# KiCad board Oblique Palette 0.5.1 PCB Main.kicad_pcb (continued)
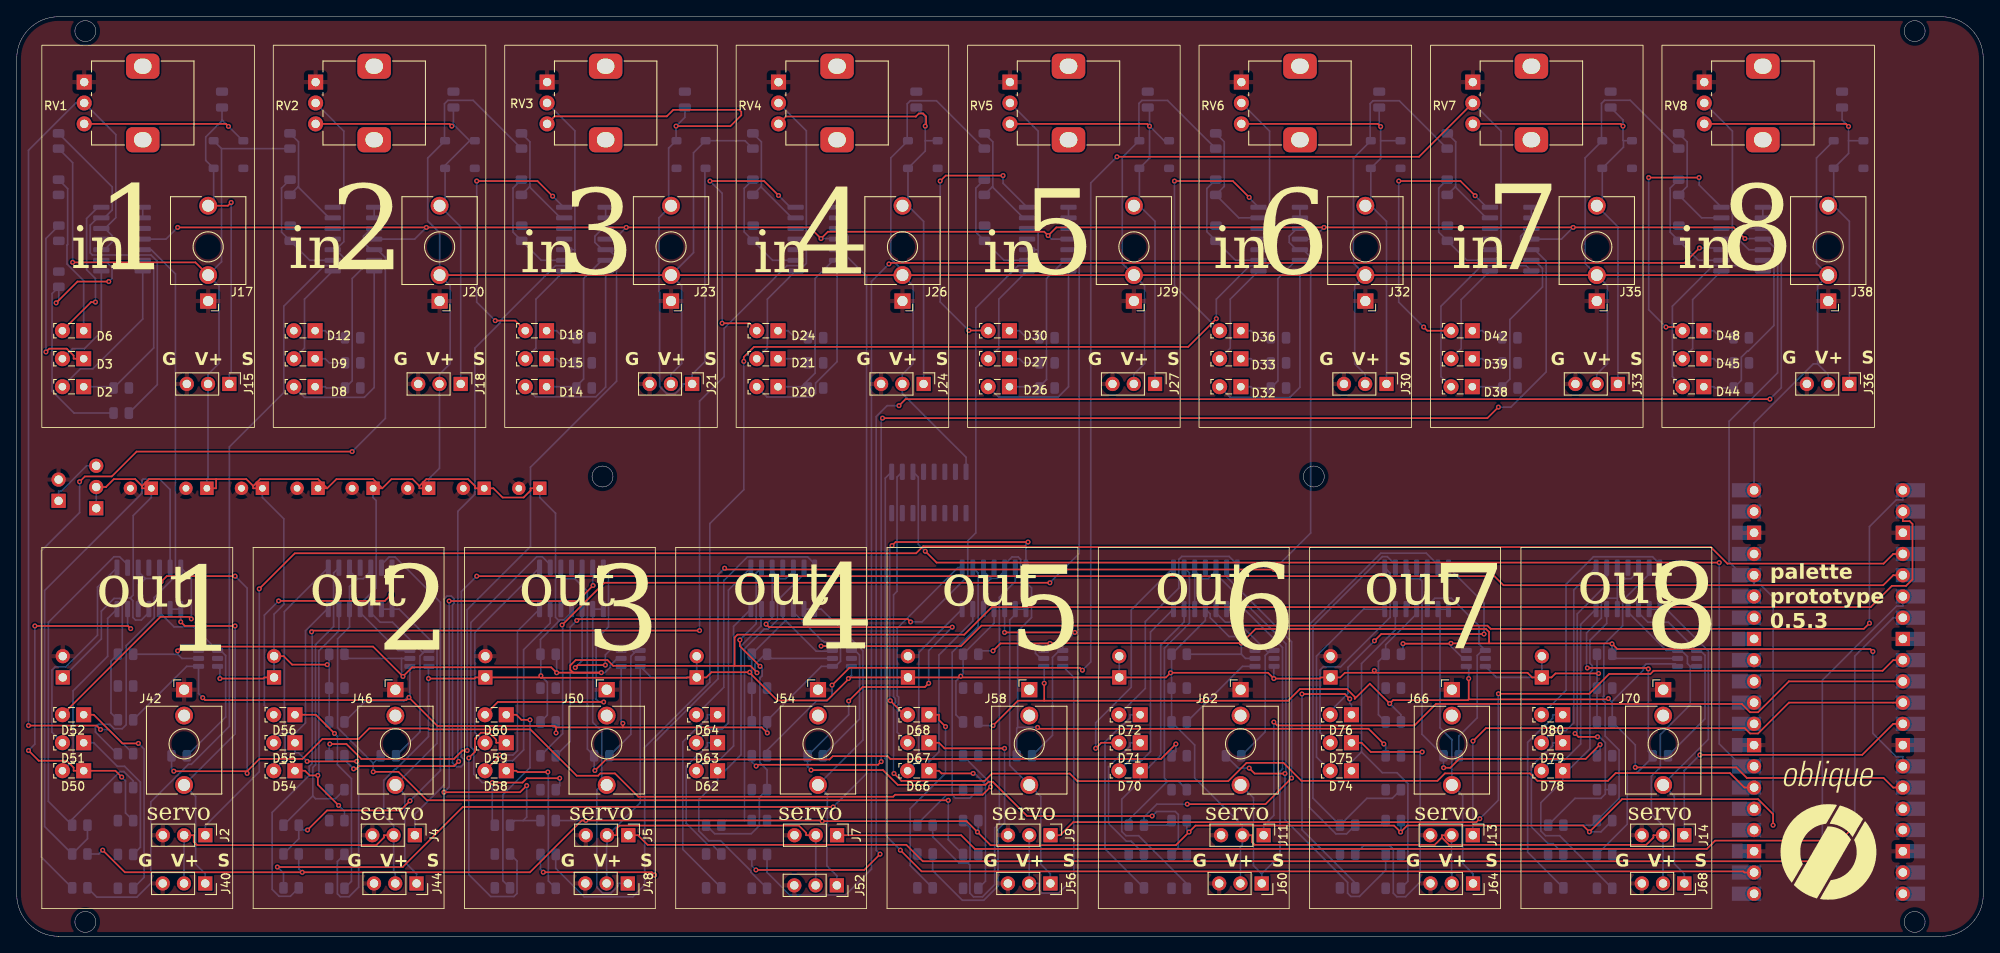
[diagram p0: board, top side]
## Routing (per net, layer and track width the routed paths; a pad name or vN(x,y) marks a point on that pad's centre or on a via; arc(x,y) is an arc through that point) (continued)
Net-(D18-K): length 3.9
  Bottom w0.2: D18.1 64.52,72.44 65.37,71.59 R23.1
Net-(D20-A): length 23.4
  Bottom w0.2: D20.2 89.66,64.52 95.03,64.52 95.46,64.95 95.46,66.17 98.03,68.74 U6.7
Net-(D20-K): length 20.6
  Bottom w0.2: 94.09,66.05 95.4,67.36 95.4,78.68 97.58,80.86 U6.6 ; 94.09,66.05 93.78,65.74 D20.1 ; 94.09,66.05 R27.1
Net-(D21-A): length 12.4
  Bottom w0.2: U6.8 89.7,76.21 89.7,70.36 D21.2
Net-(D21-K): length 3.8
  Bottom w0.2: D21.1 94.05,69.09 R29.1
Net-(D22-A): length 56.8
  Top w0.2: RV4.3 91.91,98.06 107.44,98.06 107.81,98.43 108.31,98.43 108.67,98.07 108.67,97.02 v1(108.57,96.91)
  Bottom w0.2: 108.57,95.17 108.57,93.93 D22.2 106.5,87.39 ; 108.57,95.17 D23.1 ; 108.57,95.17 v1(108.57,96.91) 108.57,98.07 C12.1 ; J24.1 108.37,85.52 106.5,87.39 ; 106.5,87.39 J26.T
Net-(D24-A): length 33.7
  Top w0.2: v1(82.84,90.34) 89.31,90.34 v1(91.04,88.61) ; D24.2 87.54,73.33 v1(84.3,73.33)
  Bottom w0.2: v1(82.84,90.34) 84.3,88.88 v1(84.3,73.33) ; U6.14 92.44,87.21 v1(91.04,88.61)
Net-(D24-K): length 3.9
  Bottom w0.2: D24.1 92.17,72.44 93.02,71.59 R31.1
Net-(D26-A): length 24.5
  Bottom w0.2: U7.7 125.69,65.74 124.46,64.51 117.32,64.51 D26.2
Net-(D26-K): length 20.6
  Bottom w0.2: R35.1 122.2,65.74 ; 122.2,65.74 123.06,66.59 123.06,78.68 125.23,80.86 U7.6 ; 122.2,65.74 D26.1
Net-(D27-A): length 12.4
  Bottom w0.2: D27.2 117.36,70.36 117.36,76.22 U7.8
Net-(D27-K): length 3.8
  Bottom w0.2: R37.1 120.33,68.59 119.83,69.09 D27.1
Net-(D28-A): length 54.9
  Top w0.2: RV5.3 135.1,97.18 v1(135.37,96.91)
  Bottom w0.2: v1(135.37,96.91) 135.37,93.08 D28.2 134.16,87.39 ; v1(135.37,96.91) 137.12,95.17 D29.1 ; v1(135.37,96.91) 135.37,98.93 C13.1 ; 134.16,87.39 J29.T ; 134.16,87.39 136.03,85.52 J27.1
Net-(D30-A): length 34.4
  Top w0.2: D30.2 116.06,72.47 v1(113.77,72.47) ; v1(117.87,91) 111.01,91 v1(110.35,90.34)
  Bottom w0.2: v1(113.77,72.47) 110.35,75.88 v1(110.35,90.34) ; v1(117.87,91) 117.87,90.08 U7.14
Net-(D30-K): length 3.9
  Bottom w0.2: R39.1 120.68,71.59 119.83,72.44 D30.1
Net-(D32-A): length 24.5
  Bottom w0.2: D32.2 145.02,64.47 152.14,64.47 153.34,65.67 U8.7
Net-(D32-K): length 20.6
  Bottom w0.2: U8.6 152.89,80.86 150.71,78.68 150.71,66.44 R43.1 147.64,65.59 147.49,65.74 D32.1
Net-(D33-A): length 12.4
  Bottom w0.2: U8.8 145.02,76.21 145.02,70.36 D33.2
Net-(D33-K): length 3.8
  Bottom w0.2: R45.1 147.99,68.59 147.49,69.09 D33.1
Net-(D34-A): length 54.2
  Top w0.2: RV6.3 162.67,97.18 v1(162.99,96.86)
  Bottom w0.2: D35.1 162.99,95.17 ; 162.99,95.17 162.99,93.04 D34.2 161.81,87.39 ; 162.99,95.17 v1(162.99,96.86) 162.81,97.04 C14.1 ; 161.81,87.39 163.69,85.52 J30.1 ; 161.81,87.39 J32.T
Net-(D36-A): length 31.5
  Top w0.2: v1(138.35,90.34) 145.33,90.34 v1(147.28,88.39)
  Bottom w0.2: v1(138.35,90.34) 138.35,77.84 D36.2 ; v1(147.28,88.39) 147.28,88.32 U8.14
Net-(D36-K): length 3.9
  Bottom w0.2: D36.1 147.49,72.44 148.34,71.59 R47.1
Net-(D38-A): length 23.2
  Bottom w0.2: U9.7 180.37,80.22 175.05,80.22 170.19,75.37 170.19,66.95 D38.2
Net-(D38-K): length 21.6
  Bottom w0.2: D38.1 177.52,65.74 ; 177.52,65.74 178.43,66.65 178.43,73.77 182.33,77.67 182.33,79.89 181.36,80.86 U9.6 ; 177.52,65.74 R51.1
Net-(D39-A): length 12.4
  Bottom w0.2: D39.2 172.61,70.3 172.61,76.15 U9.8
Net-(D39-K): length 3.8
  Bottom w0.2: R53.1 175.64,68.59 175.14,69.09 D39.1
Net-(D40-A): length 55.1
  Top w0.2: RV7.3 191.68,97.18 v1(191.95,96.91)
  Bottom w0.2: J33.1 191.34,84.87 J35.T 189.47,88.04 D40.2 192,94.4 192,95.17 ; C15.1 191.95,97.66 v1(191.95,96.91) 191.95,95.22 192,95.17 ; 192,95.17 D41.1
Net-(D42-A): length 34.4
  Top w0.2: v1(168.13,72.88) 168.57,72.44 D42.2 ; v1(174.28,88.59) 172.53,90.34 v1(165.15,90.34)
  Bottom w0.2: v1(165.15,90.34) 165.15,75.86 v1(168.13,72.88) ; U9.14 175.66,87.21 v1(174.28,88.59)
Net-(D42-K): length 3.9
  Bottom w0.2: D42.1 175.14,72.44 175.99,71.59 R55.1
Net-(D44-A): length 23.2
  Bottom w0.2: U10.7 208.02,80.22 202.71,80.22 197.85,75.37 197.85,66.95 D44.2
Net-(D44-K): length 21.7
  Bottom w0.2: D44.1 202.8,65.74 202.95,65.59 R59.1 206.09,66.5 206.09,69.27 206.8,69.99 206.91,69.99 209.98,73.07 209.98,79.89 209.01,80.86 U10.6
Net-(D45-A): length 12.4
  Bottom w0.2: U10.8 200.27,76.15 200.27,70.3 D45.2
Net-(D45-K): length 3.8
  Bottom w0.2: R61.1 203.3,68.59 202.8,69.09 D45.1
Net-(D46-A): length 54.7
  Top w0.2: v1(218.9,96.88) 218.6,97.18 RV8.3
  Bottom w0.2: C16.1 218.13,97.65 v1(218.9,96.88) 218.9,95.17 ; 217.13,87.39 D46.2 218.9,93.64 218.9,95.17 ; 217.13,87.39 J38.T ; 217.13,87.39 219,85.52 J36.1 ; D47.1 218.9,95.17
Net-(D48-A): length 31.6
  Top w0.2: v1(201.04,90.76) v1(195.02,90.76) ; D48.2 198.62,72.88 v1(197.08,72.88)
  Bottom w0.2: v1(197.08,72.88) 195.02,74.94 v1(195.02,90.76) ; v1(201.04,90.76) 201.04,89.88 U10.14
Net-(D48-K): length 3.9
  Bottom w0.2: D48.1 202.8,72.44 203.65,71.59 R63.1
Net-(D50-A): length 22
  Bottom w0.2: U12.7 10.86,38.02 10.86,33.49 6.73,29.36 6.73,21.07 D50.2
Net-(D50-K): length 47.7
  Top w0.2: v1(1.4,22.22) 2.63,21 5.97,21 6.8,20.18 6.8,19.8 D50.1 11.79,19.8 v1(12.55,19.05) ; v1(13.62,36.8) 13.3,37.12 v1(2.16,37.12)
  Bottom w0.2: R73.1 13,14.75 13,18.59 v1(12.55,19.05) ; v1(13.62,36.8) 13.25,37.17 U12.6 ; v1(1.4,22.22) 2.16,22.98 v1(2.16,37.12)
Net-(D51-A): length 25.4
  Bottom w0.2: D51.2 4.2,24.41 4.2,31.84 4.6,32.23 5.87,32.23 9.65,36.02 9.65,41.76 U12.8
Net-(D51-K): length 17.7
  Bottom w0.2: D51.1 9.2,23.15 12.02,20.33 12.89,20.33 14.78,18.44 14.78,10.66 R74.1
Net-(D52-A): length 27
  Top w0.2: D52.2 17.17,38.21 20.62,38.21 v1(20.86,37.97)
  Bottom w0.2: U12.14 20.86,42.83 v1(20.86,37.97)
Net-(D52-K): length 26.1
  Top w0.2: D52.1 9.2,26.5 12.63,23.07 v1(14.54,23.07)
  Bottom w0.2: R75.1 15.22,7.05 15.22,22.39 v1(14.54,23.07)
Net-(D54-A): length 22.8
  Bottom w0.2: D54.2 32.05,21.14 32.05,24.17 32.23,24.35 33.33,24.35 34.51,25.52 34.51,36.55 37.1,39.14 U14.7
Net-(D54-K): length 30.6
  Top w0.2: v1(38.47,15.65) 35.98,18.14 v1(35.98,19.24) 35.01,19.24 34.45,19.8 D54.1
  Bottom w0.2: R84.1 39.16,14.96 v1(38.47,15.65) ; v1(35.98,19.24) 36.11,19.37 36.11,34.15 38.5,36.54 U14.6
Net-(D55-A): length 23.6
  Bottom w0.2: D55.2 30.71,23.4 31.98,24.67 31.98,38.84 U14.8
Net-(D55-K): length 32.4
  Top w0.2: v1(34.7,20.92) v1(40.62,20.92)
  Bottom w0.2: D55.1 33.25,21.95 33.68,21.95 v1(34.7,20.92) ; v1(40.62,20.92) 40.86,20.69 40.86,5.88 39.71,4.73 38.67,4.73 38.32,5.08 38.32,8.95 R85.1
Net-(D56-A): length 31.8
  Top w0.2: v1(31.29,40.12) 43.98,40.12 v1(44.72,40.85)
  Bottom w0.2: U14.14 44.85,40.99 v1(44.72,40.85) ; v1(31.29,40.12) 29.59,38.41 29.59,27.62 D56.2
Net-(D56-K): length 25.4
  Top w0.2: v1(37.97,24.26) 35.73,26.5 D56.1
  Bottom w0.2: v1(37.97,24.26) 38.32,23.91 38.32,20.53 40,18.86 40,6.57 R86.1
Net-(D58-A): length 23
  Top w0.2: v1(57.7,21.69) 57.7,21.54 D58.2
  Bottom w0.2: v1(57.7,21.69) 59.32,21.69 59.84,22.2 59.84,36.5 U16.7
Net-(D58-K): length 41.3
  Top w0.2: D58.1 59.7,19.8 59.86,19.64 v1(63.46,19.64)
  Bottom w0.2: U16.6 63.75,37.46 60.57,34.28 60.57,22.3 59.28,21 58.5,21 D58.1 ; v1(63.46,19.64) 63.53,19.58 63.53,6.62 R95.1
Net-(D59-A): length 24.7
  Bottom w0.2: U16.8 54.74,36.35 54.74,24.37 D59.2
Net-(D59-K): length 33.4
  Top w0.2: D59.1 57.3,23.15 57.3,23.51 56.46,24.35 55.46,24.35 54.76,23.65 54.76,22.06 v1(54.02,21.33)
  Bottom w0.2: R96.1 59.78,9.01 59.78,5.12 59.41,4.76 56.65,4.76 54.02,7.38 v1(54.02,21.33)
Net-(D60-A): length 32.4
  Top w0.2: D60.2 57.48,28.03 v1(70.14,28.03)
  Bottom w0.2: U16.14 70.71,43.48 70.71,37.01 69.23,35.53 69.23,28.36 69.57,28.03 v1(70.14,28.03)
Net-(D60-K): length 24.9
  Top w0.2: v1(61.33,25.89) 60.31,25.89 59.7,26.5 D60.1
  Bottom w0.2: R97.1 58.1,6.65 58.1,16.94 61.33,20.17 v1(61.33,25.89)
Net-(D62-A): length 22.9
  Bottom w0.2: U18.7 85.66,37.07 85.66,22.77 83.96,21.06 82.47,21.06 D62.2
Net-(D62-K): length 41.6
  Bottom w0.2: R106.1 87.73,7.67 87.73,7.81 84.12,11.43 82.69,11.43 81.51,12.6 81.51,16.36 83.75,18.6 83.75,18.92 ; D62.1 83.75,18.92 ; 83.75,18.92 86.56,21.72 86.56,34.74 88.94,37.13 88.94,39.08 U18.6
Net-(D63-A): length 24.5
  Bottom w0.2: U18.8 85.05,41.41 85.05,25.54 84.29,24.77 82.83,24.77 D63.2
Net-(D63-K): length 17.7
  Bottom w0.2: R107.1 83.11,10.93 82.59,10.93 80,13.52 80,20.33 81.62,21.95 81.73,21.95 82.55,22.76 82.55,23.15 D63.1
Net-(D64-A): length 30.2
  Bottom w0.2: D64.2 84.49,29.78 84.49,42.56 87.32,45.38 94.52,45.38 95.35,44.55 U18.14
Net-(D64-K): length 25.1
  Bottom w0.2: D64.1 82.55,26.5 82.55,26.09 81.76,25.3 81.64,25.3 79.6,23.25 79.6,10.4 R108.1
Net-(D66-A): length 22
  Bottom w0.2: D66.2 107.8,21.14 107.8,33.96 U20.7
Net-(D66-K): length 41.8
  Top w0.2: v1(114.29,19.48) 110.52,19.48 110.2,19.8 D66.1
  Bottom w0.2: R117.1 115.76,6.59 115.76,18.19 114.47,19.48 v1(114.29,19.48) ; U20.6 114.25,37.7 110.2,33.65 110.2,22.05 109.15,21 109,21 D66.1
Net-(D67-A): length 25.1
  Bottom w0.2: U20.8 112.45,44.09 105.21,36.86 105.21,28.78 105.39,28.6 105.39,27.77 105.21,27.59 105.21,24.4 D67.2
Net-(D67-K): length 38.1
  Top w0.2: D67.1 110.2,23.15 110.87,22.48 v1(118.04,22.48)
  Bottom w0.2: v1(118.04,22.48) 118.04,13.54 117.27,12.77 117.27,6.02 115.56,4.31 113,4.31 109.45,7.86 R118.1
Net-(D68-A): length 41.1
  Top w0.2: v1(104.39,28.18) 106.07,26.5 D68.2 ; v1(120.85,47.16) 105.02,47.16 v1(104.6,46.73)
  Bottom w0.2: v1(104.6,46.73) 104.32,46.45 104.32,28.26 v1(104.39,28.18) ; U20.14 120.6,46.91 v1(120.85,47.16)
Net-(D68-K): length 25.1
  Top w0.2: D68.1 110.2,26.5 110.2,25.87 v1(110.99,25.08)
  Bottom w0.2: R119.1 106.77,8.47 106.77,15.27 110.99,19.5 v1(110.99,25.08)
Net-(D70-A): length 22.9
  Bottom w0.2: U22.7 135.48,36.39 135.48,22.09 134.4,21.01 132.92,21.01 D70.2
Net-(D70-K): length 41.2
  Bottom w0.2: 134.25,19.2 134.25,18.6 132.05,16.4 132.05,12.53 132.55,12.03 134.06,12.03 139.82,6.27 R128.1 ; 134.25,19.2 D70.1 ; 134.25,19.2 136.71,21.66 136.71,34.81 139.5,37.6 U22.6
Net-(D71-A): length 28.5
  Top w0.2: v1(128.93,22.48) 129.6,23.15 D71.2
  Bottom w0.2: v1(128.93,22.48) 128.93,25.54 133.18,29.79 133.18,39.04 U22.8
Net-(D71-K): length 17.7
  Bottom w0.2: R129.1 133.17,11.38 132.6,11.38 130.47,13.5 130.47,20.28 132.14,21.95 132.26,21.95 133.05,22.74 133.05,23.15 D71.1
Net-(D72-A): length 29.5
  Bottom w0.2: D72.2 134.86,29.65 134.86,37.65 138.87,41.65 138.87,45.08 139.22,45.44 144.88,45.44 145.85,44.47 U22.14
Net-(D72-K): length 25.2
  Bottom w0.2: D72.1 133.05,26.5 133.05,26.12 132.22,25.3 132.11,25.3 130.04,23.23 130.04,10.45 R130.1
Net-(D74-A): length 24.9
  Bottom w0.2: U24.7 160.95,39.14 155.32,33.51 155.32,21.44 D74.2
Net-(D74-K): length 41.6
  Bottom w0.2: R139.1 166.24,6.57 166.24,18.26 164.94,19.56 163.19,19.56 160.7,22.05 ; 160.7,22.05 159.65,21 159.5,21 D74.1 ; 160.7,22.05 160.7,32.62 164.75,36.67 U24.6
Net-(D75-A): length 26.4
  Bottom w0.2: U24.8 164.12,43.45 164.12,38.15 158.2,32.23 156.13,32.23 155.74,31.85 155.74,24.37 D75.2
Net-(D75-K): length 39.1
  Top w0.2: D75.1 160.7,23.15 161.8,22.05 v1(167.95,22.05)
  Bottom w0.2: R140.1 160.93,10.82 164.11,10.82 164.5,10.42 164.5,5.15 164.92,4.73 165.96,4.73 167.71,6.48 167.71,21.81 v1(167.95,22.05)
Net-(D76-A): length 34.1
  Top w0.2: v1(175.34,36.16) 163.06,36.16 v1(162.25,35.34)
  Bottom w0.2: U24.14 175.34,39.85 v1(175.34,36.16) ; D76.2 156.96,26.92 159.08,29.04 159.08,32.18 v1(162.25,35.34)
Net-(D76-K): length 33.8
  Top w0.2: v1(153.58,28.98) 158.71,28.98 v1(159.29,28.4)
  Bottom w0.2: R141.1 159.95,6.37 153.58,12.74 v1(153.58,28.98) ; v1(159.29,28.4) 159.29,27.91 159.5,27.7 D76.1
Net-(D78-A): length 22.9
  Bottom w0.2: U26.7 186.89,37.3 186.89,23.01 184.94,21.06 183.47,21.06 D78.2
Net-(D78-K): length 42
  Bottom w0.2: 184.75,19.2 184.75,18.6 182.13,15.97 182.13,12.6 182.7,12.03 184.37,12.03 R150.1 ; 184.75,19.2 D78.1 ; 184.75,19.2 187.99,22.44 187.99,31.55 188.29,31.85 188.29,32.35 188,32.64 188,35.41 190,37.41 U26.6
Net-(D79-A): length 24.5
  Bottom w0.2: U26.8 186.07,41.43 186.07,25.53 185.14,24.59 183.65,24.59 D79.2
Net-(D79-K): length 17.6
  Bottom w0.2: D79.1 183.55,23.15 183.55,22.76 182.73,21.95 182.62,21.95 181,20.33 181,13.09 182.99,11.09 183.57,11.09 R151.1
Net-(D80-A): length 30.2
  Bottom w0.2: U26.14 196.35,44.53 195.48,45.4 188.42,45.4 185.14,42.12 185.14,29.43 D80.2
Net-(D80-K): length 25
  Bottom w0.2: D80.1 183.55,26.5 183.55,26.09 182.76,25.3 182.64,25.3 180.55,23.21 180.55,10.06 R152.1
Net-(J40-Pin_1): length 43.9
  Top w0.2: v1(19.59,37.61) 20.09,37.12 v1(26.09,37.12)
  Bottom w0.2: U12.2 19.59,39.14 ; 19.59,39.14 v1(19.59,37.61) ; 19.59,39.14 U12.1 ; J40.1 22.52,7.47 21.37,8.62 21.37,16.73 J42.T 26.09,24.19 v1(26.09,37.12)
Net-(J44-Pin_1): length 39.9
  Bottom w0.2: U14.2 U14.1 45.69,39.14 50.22,34.61 50.22,23.07 J46.T 46.37,16.98 46.37,8.88 47.77,7.47 J44.1
Net-(J48-Pin_1): length 40.5
  Bottom w0.2: U16.1 U16.2 68.83,25.59 69.91,24.51 69.91,18.1 ; J48.1 71.87,6.32 71.87,6.03 71,5.16 70.01,5.16 69.32,5.85 69.32,17.51 69.91,18.1 ; 69.91,18.1 J50.T
Net-(J52-Pin_1): length 40.4
  Bottom w0.2: J52.1 98,7.24 96.81,8.43 96.81,13.42 96.87,13.48 96.87,16.98 J54.T 101.12,23.47 101.12,34.15 96.13,39.14 U18.1 U18.2
Net-(J56-Pin_1): length 36.4
  Bottom w0.2: J56.1 123.53,7.47 122.37,8.62 122.37,16.73 J58.T 118.66,20.44 118.66,37.84 119.33,38.51 U20.2 U20.1
Net-(J60-Pin_1): length 49.5
  Bottom w0.2: U22.2 U22.1 146.67,39.14 151.26,34.55 151.26,20.02 150.95,19.72 150.95,9.65 148.78,7.47 ; 148.78,7.47 147.79,8.46 147.79,16.56 J62.T ; 148.78,7.47 J60.1
Net-(J64-Pin_1): length 35.7
  Bottom w0.2: J64.1 174.03,7.47 172.79,8.71 172.79,16.81 J66.T 171.5,23.52 170.08,24.94 170.08,39.14 ; U24.2 170.08,39.14 ; 170.08,39.14 U24.1
Net-(J68-Pin_1): length 40.2
  Bottom w0.2: U26.2 U26.1 197.12,39.14 202.15,34.12 202.15,23.56 196.75,18.16 J70.T 198.08,16.77 198.08,8.67 199.28,7.47 J68.1
Net-(J71-Pin_3): length 6.9
  Bottom w0.2: J71.3 8.35,56.28 5.31,53.24 5,53.24 J72.1
Net-(U3A-+): length 74.1
  Bottom w0.2: R68.2 11.99,21.84 9.4,24.43 9.4,25.01 9.75,25.35 11.13,25.35 11.65,24.83 12.6,24.83 13.08,25.31 13.08,34.77 16.43,38.11 16.43,40.52 18.97,43.06 18.97,79.23 16.07,82.13 U3.5 14.65,82.13 13.77,83.01 13.77,83.74 14.71,84.67 U3.3
Net-(U3C-+): length 112.9
  Top w0.2: v1(1.4,25.2) 9.54,25.2 v1(10.02,24.73)
  Bottom w0.2: R68.1 11.02,24.73 v1(10.02,24.73) ; 10.54,84.67 11.43,83.79 11.43,83.06 10.49,82.13 U3.10 ; 10.54,84.67 U3.12 ; 10.54,84.67 11.84,85.97 11.84,95.9 RV1.2 7.06,99.68 1.4,94.02 v1(1.4,25.2)
Net-(U3C--): length 34.1
  Top w0.2: v1(11,78.32) 7.26,78.32 v1(4.71,75.77)
  Bottom w0.2: v1(11,78.32) 11.39,78.71 11.39,79.98 10.51,80.86 U3.9 ; v1(4.71,75.77) 5.03,76.09 R4.2 4.22,76.88 4.22,65.22 6.85,62.59 R6.1
Net-(U3D--): length 46.5
  Bottom w0.2: R6.2 16.8,65.99 16.8,80.74 16.05,81.5 9.04,81.5 8.78,81.75 8.78,85.06 9.66,85.94 U3.13 10.47,85.94 11.41,86.88 11.41,89.63 R8.1
Net-(U4A-+): length 116.7
  Top w0.2: v1(40.08,57.98) 14.33,57.98 11.36,55.01 8.15,55.01 v1(7.51,54.37)
  Bottom w0.2: v1(7.51,54.37) 7.51,50.68 2.92,46.09 2.92,9.49 R72.2 ; v1(40.08,57.98) 44.05,61.95 44.05,81.19 43.11,82.13 U4.5 42.31,82.13 41.43,83.01 41.43,83.74 42.36,84.67 U4.3
Net-(U4C-+): length 116.9
  Bottom w0.2: 38.12,82.13 U4.10 ; 38.12,82.13 39.08,83.09 39.08,84.67 ; 38.12,82.13 39.09,81.16 39.09,80.54 38.78,80.22 36.77,80.22 31.92,75.37 31.92,65.05 25.41,58.54 25.41,25.12 20.86,20.57 20.52,20.57 16.02,16.08 16.02,6.35 14.36,4.69 9.56,4.69 R72.1 ; RV2.2 39.08,96.31 39.08,84.67 ; 39.08,84.67 U4.12
Net-(U4C--): length 14.2
  Bottom w0.2: U4.9 35.01,80.86 R12.2 31.65,84.23 31.65,89.5 R14.1
Net-(U4D--): length 13.9
  Bottom w0.2: 33.62,89.65 33.67,89.7 33.67,95.04 R16.1 ; 33.62,89.65 37.32,85.94 U4.13 ; 33.62,89.65 R14.2
Net-(U5A-+): length 91.1
  Top w0.2: v1(53.82,22.22) 53.26,22.22 52.25,21.21 41.19,21.21 39.4,23 v1(37.41,23)
  Bottom w0.2: U5.3 70.02,84.67 69.09,83.74 69.09,83.01 69.97,82.13 U5.5 70.77,82.13 71.68,81.22 71.68,66.39 61.39,56.11 61.39,46.63 53.82,39.06 v1(53.82,22.22) ; R79.2 37.34,22.93 v1(37.41,23)
Net-(U5C-+): length 104.7
  Top w0.2: v1(52.81,20.92) 52.24,20.35 40.9,20.35 40.57,20.03 v1(40.26,20.03)
  Bottom w0.2: 66.7,82.13 66.7,80.5 66.42,80.22 64.38,80.22 57.78,73.62 57.78,73.4 54.75,70.37 54.75,52.88 52.72,50.84 52.72,21.02 v1(52.81,20.92) ; 66.7,82.13 66.7,84.67 ; 66.7,82.13 U5.10 ; RV3.2 66.7,96.35 66.7,84.67 ; 66.7,84.67 U5.12 ; R79.1 39.16,21.12 v1(40.26,20.03)
Net-(U5C--): length 14.2
  Bottom w0.2: U5.9 62.67,80.86 R20.2 59.3,84.23 59.3,89.5 R22.1
Net-(U5D--): length 13.9
  Bottom w0.2: U5.13 64.98,85.94 61.27,89.65 ; 61.27,89.65 61.33,89.7 61.33,95.04 R24.1 ; 61.27,89.65 R22.2
Net-(U6A-+): length 145.9
  Top w0.2: v1(31.14,8.28) 46.12,8.28 53.3,15.47 v1(97.56,15.47)
  Bottom w0.2: R83.2 31.88,7.55 v1(31.14,8.28) ; 98.39,82.13 U6.5 ; 98.39,82.13 101.55,78.96 101.55,19.46 v1(97.56,15.47) ; 98.39,82.13 99.35,83.09 99.35,83.71 98.39,84.67 U6.3
Net-(U6C-+): length 156.7
  Top w0.2: v1(81.6,36.57) 35.38,36.57 v1(35.23,36.42)
  Bottom w0.2: 94.36,82.13 94.36,80.49 94.09,80.22 92.04,80.22 84.53,72.71 84.53,66.95 81.6,64.02 v1(81.6,36.57) ; 94.36,82.13 94.36,84.67 ; 94.36,82.13 U6.10 ; U6.12 94.36,84.67 ; 94.36,84.67 94.36,96.35 RV4.2 ; R83.1 32.7,4.79 31.35,4.79 30.52,5.61 30.52,14.81 34.94,19.23 34.94,20.32 35.3,20.68 35.3,36.35 v1(35.23,36.42)
Net-(U6C--): length 14.2
  Bottom w0.2: R30.1 86.93,89.47 86.93,84.26 R28.2 90.33,80.86 U6.9
Net-(U6D--): length 13.9
  Bottom w0.2: 88.93,89.65 88.98,89.7 88.98,95.04 R32.1 ; 88.93,89.65 92.64,85.94 U6.13 ; 88.93,89.65 R30.2
Net-(U7A-+): length 123
  Top w0.2: v1(65.17,37.24) 70.22,42.29 v1(123.46,42.29)
  Bottom w0.2: v1(123.46,42.29) 126.96,45.79 126.96,82.13 126.96,82.13 ; 126.96,82.13 U7.5 ; 126.96,82.13 126.97,82.14 126.97,83.79 126.09,84.67 U7.3 ; v1(65.17,37.24) 65.24,37.18 65.24,24.24 R90.2
Net-(U7C-+): length 131.8
  Top w0.2: v1(66.92,37.78) 67.09,37.94 106.48,37.94 v1(106.81,37.61)
  Bottom w0.2: v1(66.92,37.78) 66.14,36.99 66.14,23.31 R90.1 ; U7.10 122.05,82.13 ; 122.05,82.13 122.05,80.5 121.78,80.22 119.67,80.22 114.61,75.16 114.61,48.26 113.65,47.3 113.65,43.08 108.17,37.61 v1(106.81,37.61) ; 122.05,82.13 122.05,84.67 ; 122.05,84.67 122.05,96.31 RV5.2 ; 122.05,84.67 U7.12
Net-(U7C--): length 14.2
  Bottom w0.2: R38.1 114.62,89.5 114.62,84.23 R36.2 117.98,80.86 U7.9
Net-(U7D--): length 13.9
  Bottom w0.2: R40.1 116.64,95.04 116.64,89.7 116.59,89.65 ; 116.59,89.65 R38.2 ; 116.59,89.65 120.29,85.94 U7.13
Net-(U8A-+): length 166.5
  Top w0.2: v1(150.26,43.88) 84.75,43.88 v1(84.59,44.03) ; v1(76.22,7.32) 75.88,7.66 v1(62.92,7.66)
  Bottom w0.2: v1(84.59,44.03) 83.8,43.25 83.8,30.79 76.22,23.21 v1(76.22,7.32) ; U8.3 152.99,84.67 152.06,83.74 152.06,83.01 152.93,82.13 U8.5 153.74,82.13 154.62,81.25 154.62,48.24 v1(150.26,43.88) ; v1(62.92,7.66) 62.59,8 R94.2
Net-(U8C-+): length 174.4
  Top w0.2: v1(143.35,73.88) 139.98,70.5 88.1,70.5 86.88,69.29 v1(86.88,68.77)
  Bottom w0.2: 149.71,82.13 149.71,80.52 149.41,80.22 147.37,80.22 143.35,76.21 v1(143.35,73.88) ; 149.71,82.13 149.71,84.67 ; 149.71,82.13 U8.10 ; v1(86.88,68.77) 86.88,53.43 82.83,49.37 82.83,30.39 75.04,22.6 75.04,6.14 73.61,4.72 67.82,4.72 64.41,8.12 R94.1 ; 149.71,84.67 149.71,96.31 RV6.2 ; 149.71,84.67 U8.12
Net-(U8C--): length 14.3
  Bottom w0.2: U8.9 145.64,80.86 R44.2 142.22,84.28 142.22,89.45 R46.1
Net-(U8D--): length 14.4
  Bottom w0.2: R48.1 144.3,95.04 144.3,89.7 R46.2 146.03,85.94 U8.13
Net-(U9A-+): length 159
  Top w0.2: v1(177.06,63.3) 175.74,61.98 v1(103.46,61.98) ; v1(88.36,20.36) 88.52,20.52 102.93,20.52 v1(103.3,20.89)
  Bottom w0.2: v1(103.46,61.98) 103.3,61.83 v1(103.3,20.89) ; v1(88.36,20.36) 87.84,20.88 R101.2 ; v1(177.06,63.3) 178.55,63.3 182.77,67.51 182.77,80.77 181.4,82.13 U9.5 180.61,82.13 179.72,83.02 179.72,83.74 180.65,84.67 U9.3
Net-(U9C-+): length 172.6
  Top w0.2: v1(97.43,30.04) 99.51,32.12 127.05,32.12 v1(127.35,31.82) ; RV7.2 167.57,93.25 v1(131.48,93.25)
  Bottom w0.2: U9.10 176.41,82.13 177.37,83.09 177.37,84.67 ; R101.1 89.66,22.25 95.58,28.17 96.77,28.17 97.43,28.83 v1(97.43,30.04) ; U9.12 177.37,84.67 ; 177.37,84.67 177.37,96.31 RV7.2 ; v1(127.35,31.82) 128.35,32.82 128.35,90.12 v1(131.48,93.25)
Net-(U9C--): length 14.2
  Bottom w0.2: R54.1 169.93,89.5 169.93,84.23 R52.2 173.3,80.86 U9.9
Net-(U9D--): length 13.9
  Bottom w0.2: R56.1 171.95,95.04 171.95,89.7 171.9,89.65 ; 171.9,89.65 175.61,85.94 U9.13 ; 171.9,89.65 R54.2
Net-(U10A-+): length 206.9
  Top w0.2: v1(209.5,64.25) 106.21,64.25 v1(105.43,63.47) ; v1(103.17,9.83) 101.28,7.94 v1(88.33,7.94)
  Bottom w0.2: v1(105.43,63.47) 104.01,63.47 102.7,62.16 102.7,10.29 v1(103.17,9.83) ; R105.2 87.84,8.43 v1(88.33,7.94) ; v1(209.5,64.25) 210.86,65.62 210.86,82.9 209.1,84.67 U10.3 206.8,84.67 205.88,83.75 205.88,83.23 206.99,82.13 U10.5
Net-(U10C-+): length 211.7
  Top w0.2: v1(201.08,82.34) 199.3,80.55 104.35,80.55 v1(104.23,80.43)
  Bottom w0.2: U10.12 205.02,84.67 ; 205.02,84.67 205.02,83.09 204.07,82.13 U10.10 203.5,82.34 v1(201.08,82.34) ; 205.02,84.67 205.02,96.32 RV8.2 ; R105.1 89.66,7.64 92.37,4.94 99.05,4.94 102.14,8.03 102.14,78.34 v1(104.23,80.43)
Net-(U10C--): length 14.2
  Bottom w0.2: R62.1 197.59,89.5 197.59,84.23 R60.2 200.96,80.86 U10.9
Net-(U10D--): length 14.4
  Bottom w0.2: R64.1 199.61,95.04 199.61,89.7 R62.2 201.35,85.94 U10.13
Net-(U11-VOUT): length 24.4
  Bottom w0.2: R153.2 24.96,26.23 24.96,33.59 24.36,34.19 U11.1 21.18,37.01 18.8,37.01 17.06,38.75 U12.3
Net-(U12B-+): length 153.5
  Top w0.2: v1(17.25,42.4) 17.93,43.08 v1(26.09,43.08) ; v1(18.77,19.75) 27.53,19.75 ; 27.53,19.75 29,21.22 34.14,21.22 36.53,23.6 40.86,23.6 42.12,24.87 49.2,24.87 49.31,24.75 61.37,24.75 66.91,19.21 69.47,19.21 69.75,19.48 71.49,19.48 74.27,16.7 104.73,16.7 104.97,16.94 115.43,16.94 v1(116.38,17.88) ; 27.53,19.75 v1(27.53,19.49)
  Bottom w0.2: 17.06,42.8 15.36,42.8 ; 17.06,42.8 U12.12 ; 17.06,42.8 17.06,42.59 v1(17.25,42.4) ; 15.36,42.8 14.52,43.64 U12.10 ; 15.36,42.8 14.52,41.95 U12.5 ; v1(116.38,17.88) 116.38,18.3 R112.2 ; v1(27.53,19.49) 27.53,41.64 v1(26.09,43.08) ; v1(18.77,19.75) 18.5,20.02 R153.1
Net-(U12C--): length 50.5
  Bottom w0.2: U12.9 13.25,44.44 12.29,45.4 11.62,45.4 3.78,37.56 3.78,16.14 R70.2 6.63,14 12.33,19.7 12.8,19.7 13.91,18.6 R69.1
Net-(U12D--): length 68.4
  Bottom w0.2: U12.13 18.33,53.44 17.07,54.69 15.1,54.69 14.97,54.56 14.97,53 3.33,41.37 3.33,13.13 R71.2 8.45,11.67 R70.1
Net-(U13-VOUT): length 23.1
  Bottom w0.2: U14.3 42.31,38.69 43.43,37.57 44.9,37.57 48.56,33.91 ; R154.2 48.18,24.45 48.18,33.53 48.56,33.91 ; 48.56,33.91 48.84,34.19 U13.1
Net-(U14B-+): length 108.5
  Top w0.2: v1(42.6,19.67) 45.61,19.67 49.02,16.26 v1(111.32,16.26)
  Bottom w0.2: 40.7,42.77 39.77,43.7 U14.10 ; 40.7,42.77 39.77,41.84 U14.5 39.77,37.01 38.34,35.58 38.34,24.95 42.6,20.69 ; 40.7,42.77 41.4,42.77 42.31,43.69 U14.12 ; R116.2 111.32,11.56 v1(111.32,16.26) ; 42.6,20.69 R154.1 ; 42.6,20.69 v1(42.6,19.67)
Net-(U14C--): length 37.9
  Bottom w0.2: 35.38,16.79 35.71,16.45 38.08,16.45 R80.1 ; 35.38,16.79 35.38,20.18 35.7,20.51 35.7,34.89 37.87,37.06 37.87,43.45 U14.9 ; 35.38,16.79 R81.2
Net-(U14D--): length 54.5
  Top w0.2: v1(34.75,12.72) 37.08,15.05 45.85,15.05 v1(47,16.2)
  Bottom w0.2: U14.13 43.58,44.46 44.49,45.37 45.21,45.37 50.63,39.95 50.63,19.83 v1(47,16.2) ; v1(34.75,12.72) 34.28,12.72 R81.1 33.7,11.67 R82.2
Net-(U15-VOUT): length 30.9
  Top w0.2: v1(66.74,32.14) 67.04,32.44 v1(70.34,32.44)
  Bottom w0.2: 73.82,33.93 73.39,33.5 73.39,24.15 R155.2 ; 73.82,33.93 72.95,34.79 71.48,34.79 70.34,33.66 v1(70.34,32.44) ; 73.82,33.93 74.08,34.19 U15.1 ; v1(66.74,32.14) 67.56,32.96 U16.3
Net-(U16B-+): length 104.9
  Top w0.2: v1(69.09,19.83) 70.41,21.15 97.12,21.15 97.52,21.55 104.07,21.55 104.41,21.21 136.72,21.21 v1(138.52,23)
  Bottom w0.2: U16.10 65.02,42.78 ; 65.02,42.78 66.69,42.78 ; 65.02,42.78 U16.5 ; R123.2 138.52,22.11 v1(138.52,23) ; U16.12 67.56,43.65 66.69,42.78 ; 66.69,42.78 68.19,41.27 68.19,22.39 R155.1 69,19.92 v1(69.09,19.83)
Net-(U16C--): length 49.5
  Top w0.2: v1(56.83,18.39) 60.44,18.39 60.96,18.91 v1(64.88,18.91)
  Bottom w0.2: R92.2 56.83,13.59 v1(56.83,18.39) 55.63,18.39 54.62,19.39 54.62,22.27 54.27,22.63 54.27,37.53 62.14,45.4 62.8,45.4 63.75,44.45 U16.9 ; v1(64.88,18.91) 64.88,18.01 R91.1
Net-(U16D--): length 61.7
  Top w0.2: v1(51.05,17.23) 60.15,17.23 v1(60.94,18.02) ; v1(51.67,40.1) 67.02,40.1 v1(68.87,41.96)
  Bottom w0.2: R92.1 59.5,13.84 60.52,13.84 ; R93.2 60.52,13.84 ; 60.52,13.84 60.94,14.26 v1(60.94,18.02) ; v1(51.05,17.23) 51.67,17.85 v1(51.67,40.1) ; v1(68.87,41.96) 68.83,42 U16.13
Net-(U17-VOUT): length 24.3
  Bottom w0.2: U18.3 92.81,38.78 96.28,35.31 96.37,35.31 96.49,35.19 96.61,35.19 96.61,35.19 98.75,35.19 U17.1 100.17,34.19 100.71,33.64 100.71,25.98 R156.2
Net-(U18B-+): length 114.1
  Top w0.2: v1(89.55,37.34) 89.9,36.98 v1(111.79,36.98) ; v1(108.98,30.27) 108.52,29.81 101.09,29.81 v1(99.42,28.15) ; v1(135.68,14.38) 120.73,14.38 116.63,18.49 116.13,18.49 115.76,18.12 105.29,18.12 103.52,19.88 v1(94.93,19.88)
  Bottom w0.2: v1(108.98,30.27) 108.98,34.17 v1(111.79,36.98) ; 90.27,43.9 U18.10 ; 90.27,43.9 90.27,43.71 91.2,42.78 91.9,42.78 92.81,43.7 U18.12 ; 90.27,43.9 U18.5 90.27,38.06 v1(89.55,37.34) ; v1(135.68,14.38) 136.22,14.92 138.45,14.92 138.82,14.56 138.82,10.61 R127.2 ; v1(94.93,19.88) 94.5,20.31 R156.1 99.42,26.51 v1(99.42,28.15)
Net-(U18C--): length 41.1
  Top w0.2: v1(86.41,35.45) 86.41,34.71 v1(88.82,32.3)
  Bottom w0.2: U18.9 88.36,43.45 88.36,37.4 v1(86.41,35.45) ; v1(88.82,32.3) 89.08,32.04 89.08,31.15 88.81,30.88 88.81,20.76 89.66,19.91 R102.1 88.75,16.63 88.75,13.24 87.77,12.27 83.4,12.27 R103.2
Net-(U18D--): length 37.3
  Bottom w0.2: U18.13 94.08,43.33 90.91,40.16 90.91,37.85 89.8,36.74 89.31,36.74 86.97,34.39 86.97,13.84 ; R103.1 84.75,13.84 86.97,13.84 ; 86.97,13.84 R104.2
Net-(U19-VOUT): length 28.3
  Top w0.2: v1(126.44,36.35) v1(118.04,36.35)
  Bottom w0.2: R157.2 123.77,24.04 123.77,33.37 124.6,34.19 U19.1 125,34.91 v1(126.44,36.35) ; v1(118.04,36.35) 118.04,39.12 U20.3
Net-(U20B-+): length 81.7
  Top w0.2: v1(163.37,23) 161.55,24.82 122.16,24.82 v1(121.99,24.99)
  Bottom w0.2: 119.61,24.99 119.5,24.88 R157.1 ; 119.61,24.99 119.61,36.47 121.27,38.13 121.27,41.68 119.97,42.98 119.97,45.09 119.69,45.37 118.93,45.37 118.06,44.5 U20.12 118.06,43.74 117.13,42.8 116.41,42.8 ; 119.61,24.99 v1(121.99,24.99) ; 116.41,42.8 115.52,41.91 U20.5 ; 116.41,42.8 115.52,43.7 U20.10 ; R134.2 163.59,22.78 v1(163.37,23)
Net-(U20C--): length 38.2
  Bottom w0.2: R114.2 107.63,13.43 111.11,16.92 111.78,16.92 ; R113.1 113.9,16.52 112.17,16.52 111.78,16.92 ; 111.78,16.92 111.78,33.97 114.88,37.07 114.88,43.46 U20.9
Net-(U20D--): length 58.8
  Bottom w0.2: 113.66,8.77 112.59,8.77 109.45,11.91 R114.1 ; 113.66,8.77 113.9,8.53 113.9,5.15 114.34,4.72 115.41,4.72 116.87,6.18 116.87,12.97 117.43,13.52 117.43,40.54 119.33,42.45 U20.13 ; 113.66,8.77 113.92,9.02 113.92,13.01 R115.2
Net-(U21-VOUT): length 23.1
  Bottom w0.2: R158.2 149.19,24.45 149.19,33.58 149.55,33.95 ; U22.3 143.31,38.69 144.43,37.57 145.93,37.57 149.55,33.95 ; 149.55,33.95 149.79,34.19 U21.1
Net-(U22B-+): length 69.7
  Top w0.2: v1(151.55,19.47) 147.93,19.47 v1(147.28,20.11)
  Bottom w0.2: U22.12 143.31,43.69 143.14,43.52 ; 140.77,43.9 U22.10 ; 140.77,43.9 140.77,43.71 141.7,42.78 142.4,42.78 143.14,43.52 ; 140.77,43.9 U22.5 ; v1(147.28,20.11) 145.98,20.11 R158.1 ; R138.2 163.59,7.9 160.45,4.77 159.43,4.77 159.04,5.15 159.04,6.44 151.55,13.93 v1(151.55,19.47) 151.67,19.58 151.67,34.99 143.14,43.52
Net-(U22C--): length 37.1
  Bottom w0.2: R125.2 132.88,13.91 137.51,18.54 ; 137.51,18.54 138.82,18.54 R124.1 ; 137.51,18.54 137.15,18.9 137.15,34.45 140.13,37.44 140.13,43.45 U22.9
Net-(U22D--): length 52.4
  Top w0.2: v1(152.34,18.93) 149.22,15.81 v1(139.88,15.81)
  Bottom w0.2: U22.13 144.58,43 152.34,35.23 v1(152.34,18.93) ; R126.2 137.45,13.29 R125.1 134.7,14.26 136.25,15.81 v1(139.88,15.81)
Net-(U23-VOUT): length 25.6
  Bottom w0.2: U24.3 168.56,39.53 169.46,40.44 171.45,40.44 174.73,37.15 174.73,34.96 175.31,34.38 ; 175.31,34.38 U23.1 ; 175.31,34.38 174.53,33.59 174.53,26.14 172.32,23.94 R159.2
Net-(U24B-+): length 53.4
  Top w0.2: v1(170.51,20.16) 171.31,20.16 172.36,21.22 187.49,21.22 v1(189.21,22.94)
  Bottom w0.2: v1(189.21,22.94) 189.21,21.96 R145.2 ; 167.65,42.77 166.36,42.77 ; 167.65,42.77 167.93,42.49 167.93,24.16 R159.1 170.5,20.17 v1(170.51,20.16) ; 167.65,42.77 168.56,43.68 U24.12 ; 166.36,42.77 166.36,39.48 U24.5 ; 166.36,42.77 166.36,43.75 U24.10
Net-(U24C--): length 48.3
  Bottom w0.2: U24.9 164.75,44.45 163.78,45.41 163.19,45.41 154.9,37.12 154.9,16.52 R136.2 161.34,16.5 164.37,16.5 R135.1
Net-(U24D--): length 52.8
  Bottom w0.2: U24.13 169.83,44.44 168.44,45.83 163.01,45.83 154.49,37.32 154.49,15.4 157.64,12.25 158.91,12.25 R136.1 163.04,13.29 R137.2
Net-(U25-VOUT): length 24.3
  Bottom w0.2: U26.3 193.81,38.69 194.93,37.57 197.37,37.57 U25.1 201.18,34.19 201.74,33.63 201.74,26.01 R168.2
Net-(U26B-+): length 52.9
  Top w0.2: v1(187.69,32.1) 194.86,32.1 v1(194.97,31.98)
  Bottom w0.2: v1(187.69,32.1) 187.59,32.19 187.59,36.3 189.37,38.07 189.37,40.18 189.63,40.45 191.27,40.45 ; v1(194.97,31.98) 194.97,22.12 R168.1 195.5,21.44 193.66,19.6 192.45,19.6 192.45,13.41 R149.2 ; 191.27,43.9 U26.10 ; 191.27,43.9 191.27,43.71 192.2,42.78 192.9,42.78 193.81,43.69 U26.12 ; 191.27,43.9 191.27,40.45 ; 191.27,40.45 U26.5
Net-(U26C--): length 40.8
  Top w0.2: v1(188.9,23.85) 186.62,23.85 v1(186.22,24.26)
  Bottom w0.2: 189.84,17.54 189.84,23.18 189.16,23.85 v1(188.9,23.85) ; 189.84,17.54 R146.1 ; 189.84,17.54 189.84,17.02 189.31,16.5 186.21,16.5 R147.2 ; U26.9 190,42.09 186.48,38.57 186.48,24.51 v1(186.22,24.26)
Net-(U26D--): length 38.6
  Bottom w0.2: U26.13 195.08,43.33 191.91,40.16 191.91,37.15 189.66,34.9 189.66,28.74 189.6,28.69 189.6,28.19 189.81,27.98 189.81,23.95 191.48,22.29 191.48,16.48 R148.2 188.29,13.29 R147.1

## Copper pours and planes (outline as drawn; the poured copper is in the pictures)
GNDREF on Top, Bottom: 0,110.09 -0.5,0.09 235,-0.41 235,110.09 0,111.09

## Text on the board
B.Silkscreen: DAC Address Jumper / Open, A0 = GND / Closed A0 = V+ | V Ext | V+ | i2c Bus 0 | i2c Bus 1 | GND | Where does the edge of the frame start?
F.Silkscreen: G   V+   S | palette / prototype / 0.5.3 | servo | in | out | 1 | 2 | 3 | 4 | 5 | 6 | 7 | 8
